# Altium PCB PCB_SmartWatch.PcbDoc
Units mm, origin at the board's own origin, x right, y up, seen from the top; angles counter-clockwise.
Board outline 33 x 45 mm, 2 copper layers (Top Layer, Bottom Layer); 40 components, 28 nets, 146 pads, 13 vias.
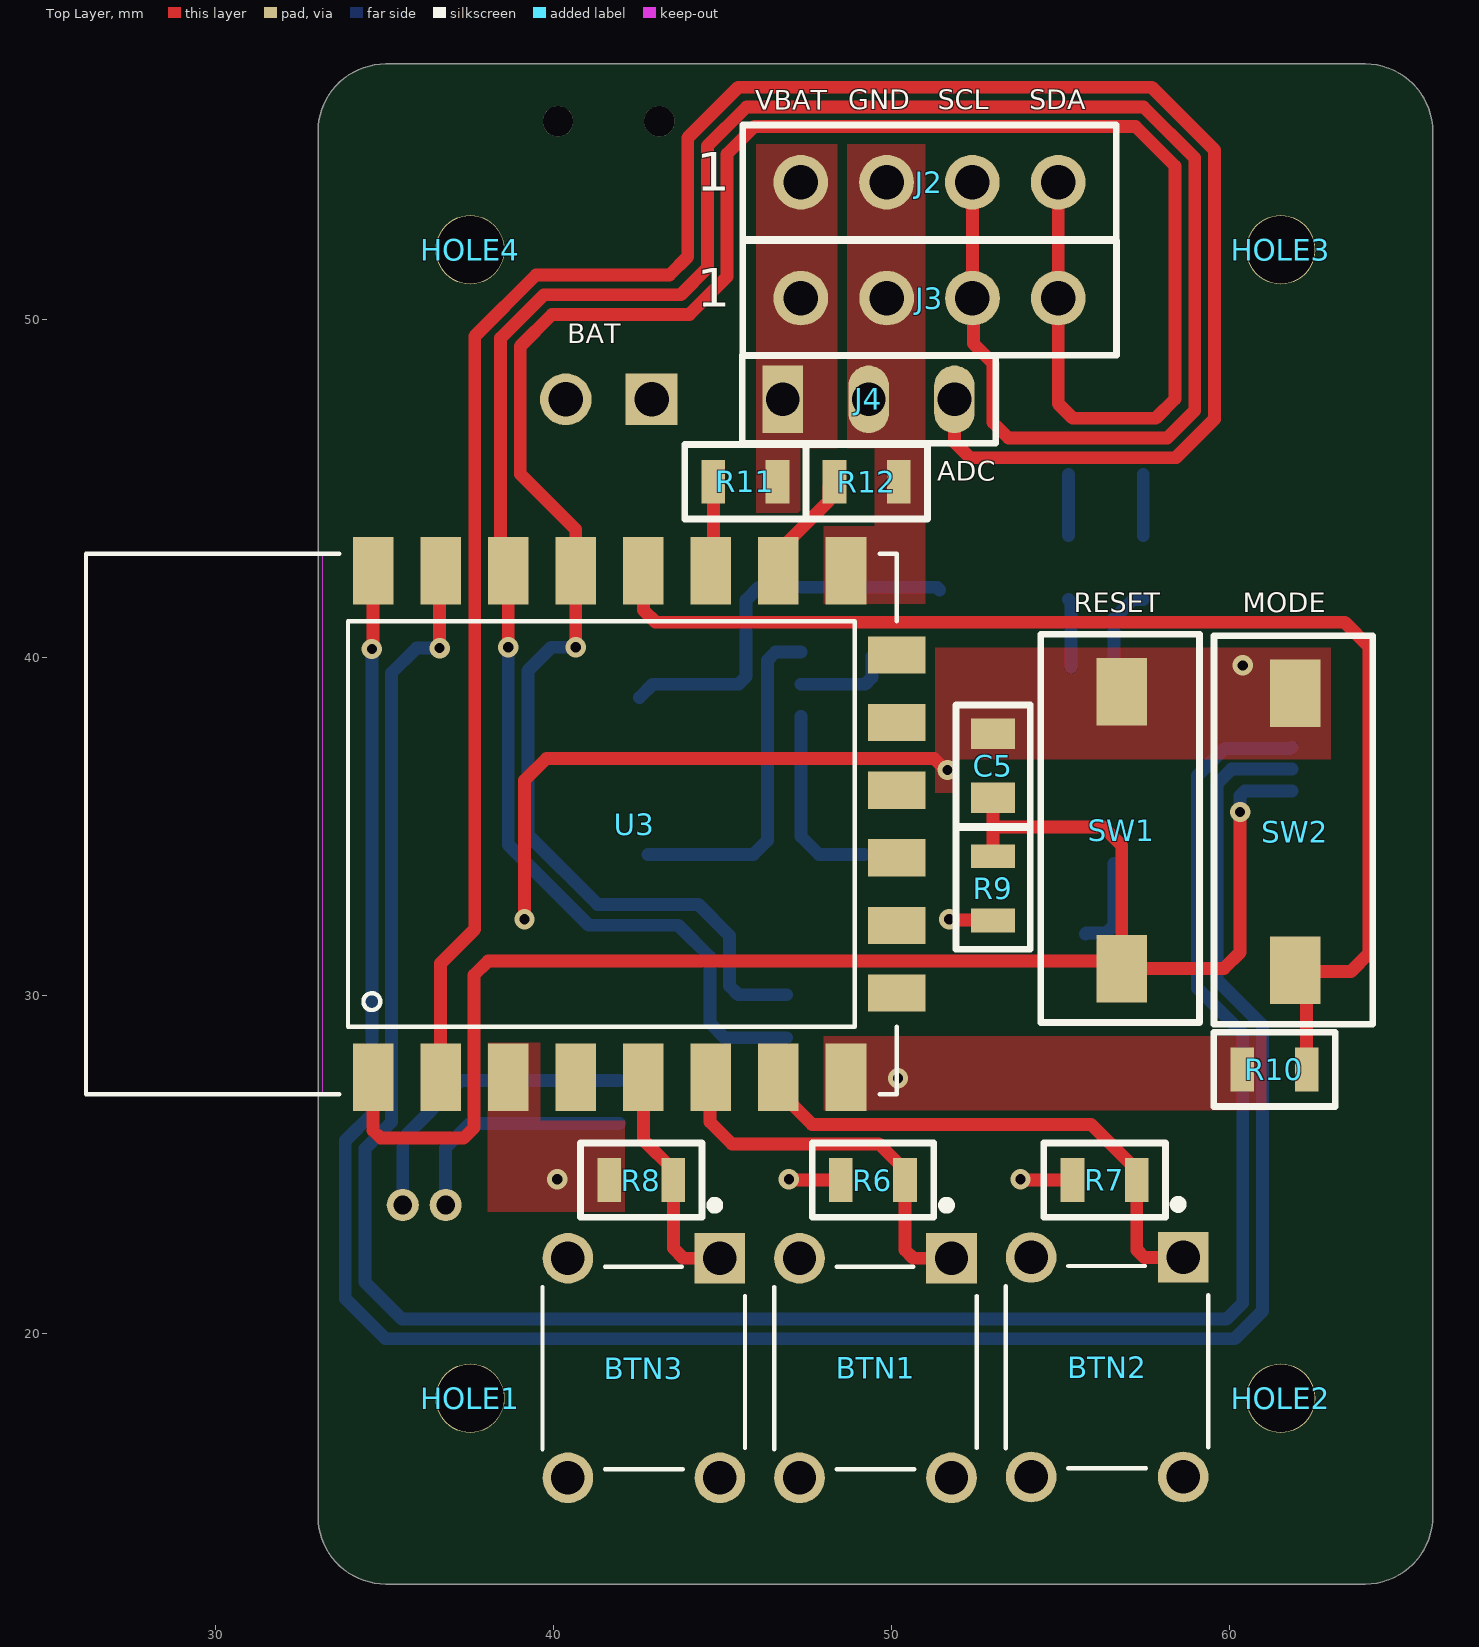
[diagram p0: Top Layer view]
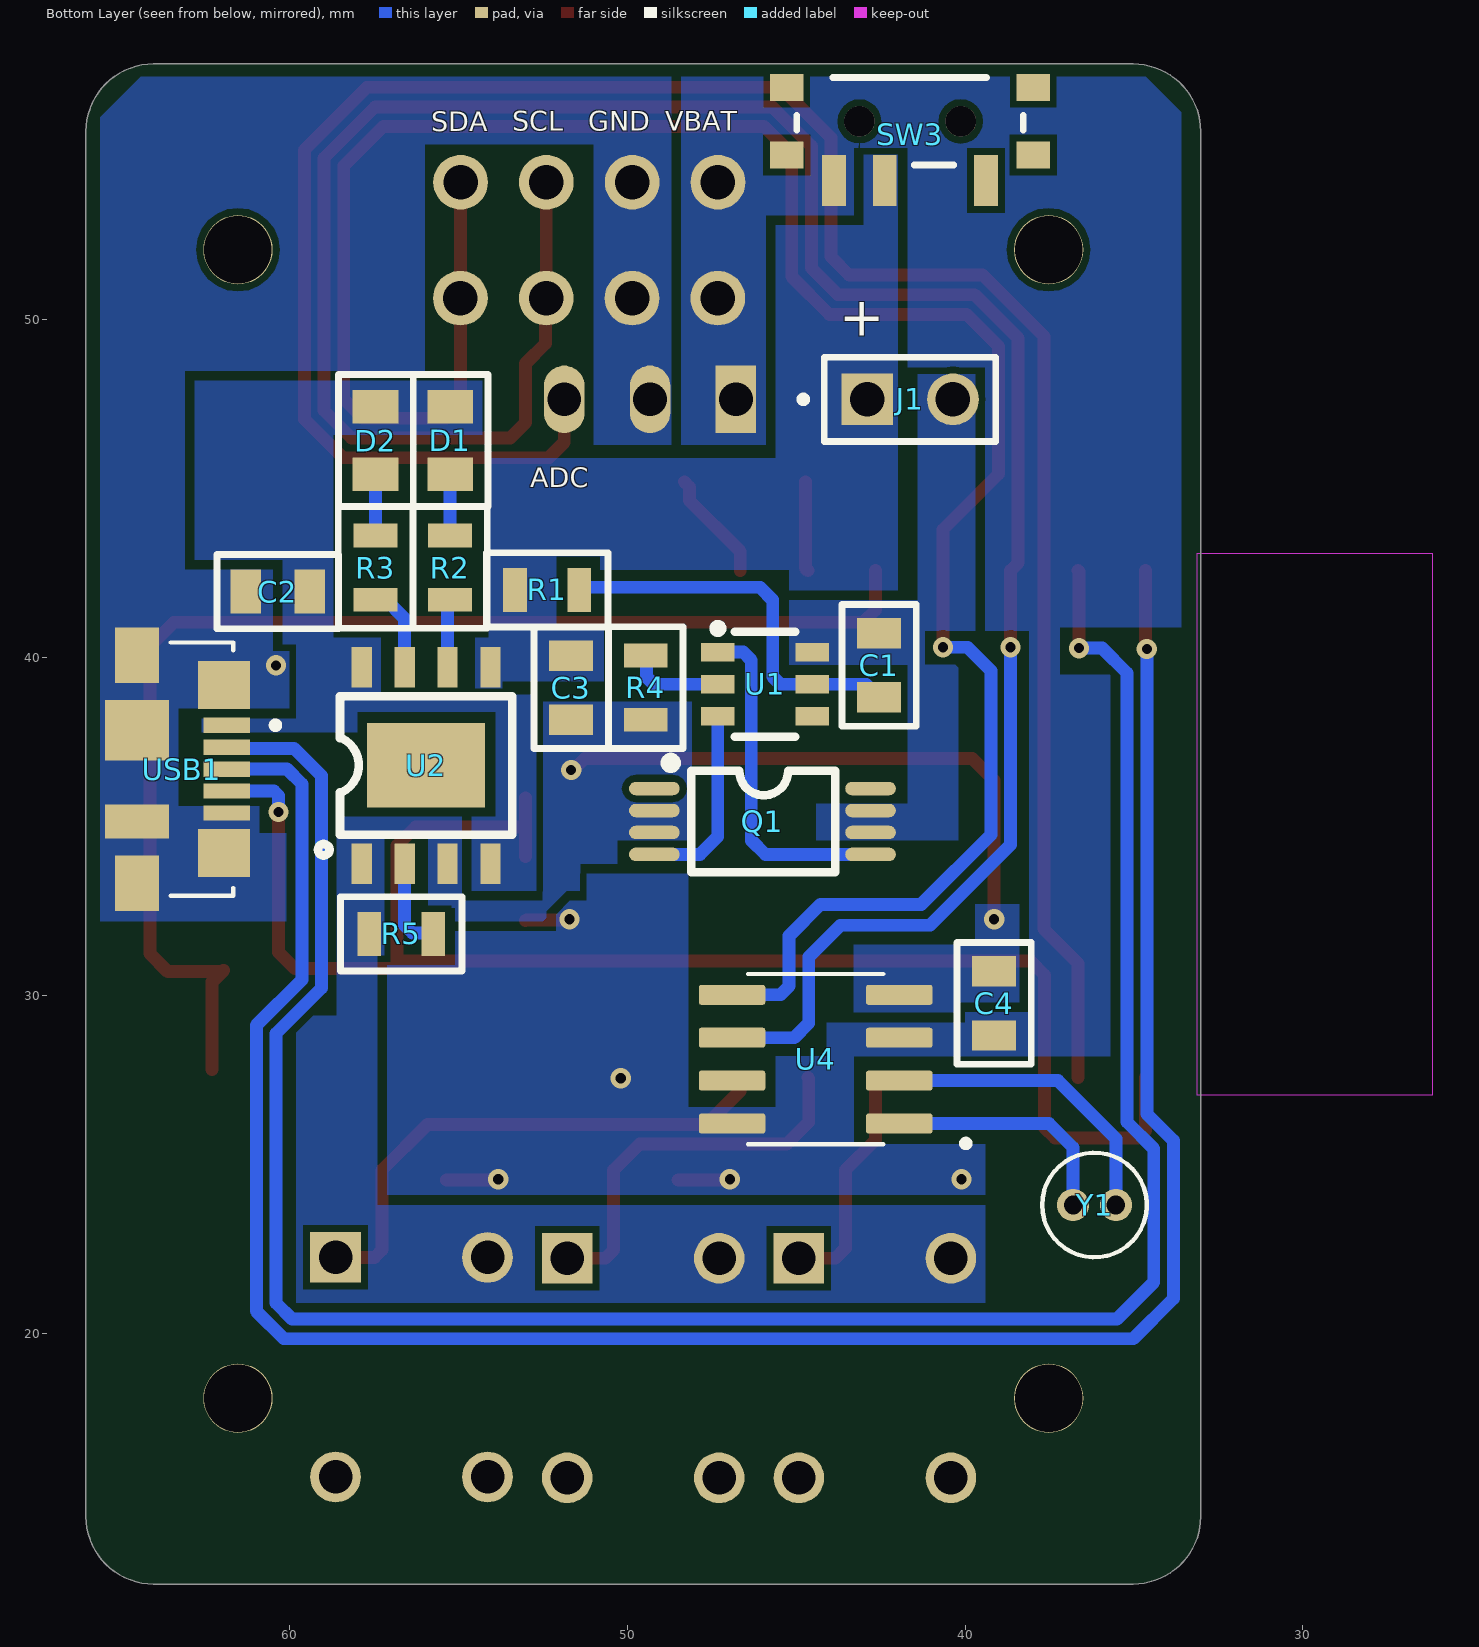
[diagram p1: Bottom Layer view, seen from below]
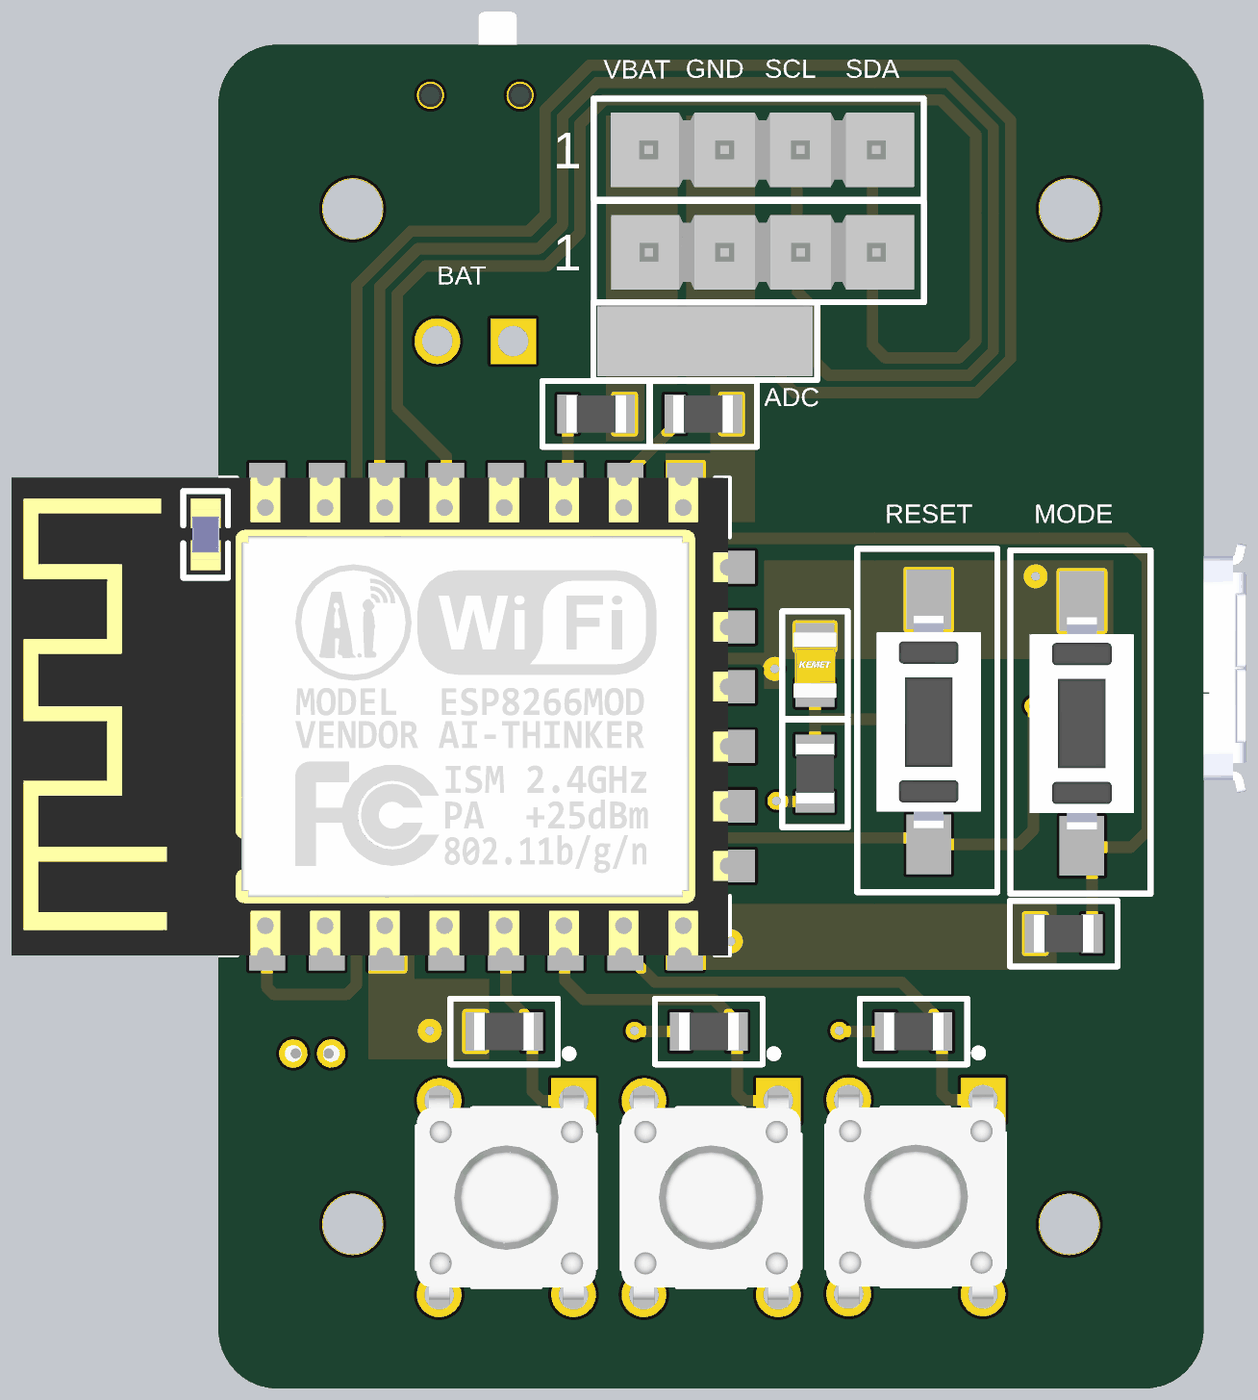
[diagram p2: 3D render of the assembled board from above, using the file's embedded part models]
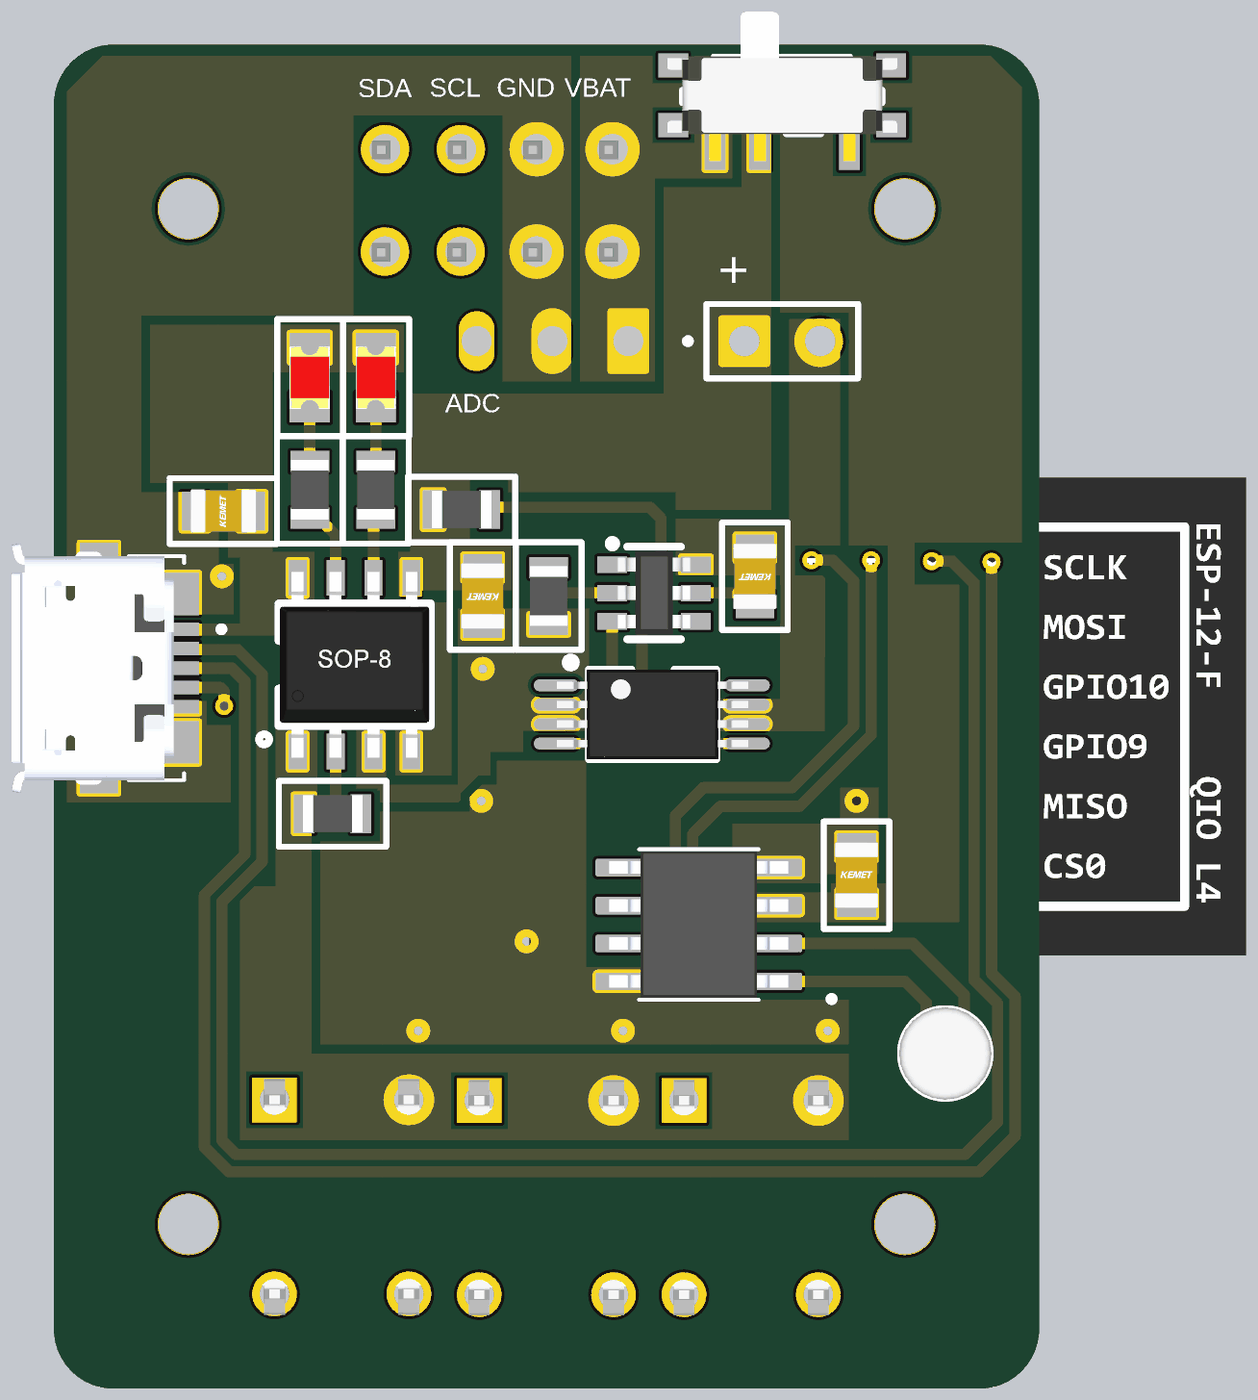
[diagram p3: 3D render of the assembled board from below, using the file's embedded part models]

## Layer stack, top to bottom
Top Solder: solder mask 0.0102, Solder Resist, Dk 3.5
Top Layer: signal copper 0.0356
Dielectric 1: dielectric 0.32, FR-4, Dk 4.8
Bottom Layer: signal copper 0.0356
Bottom Solder: solder mask 0.0102, Solder Resist, Dk 3.5

## Board outline
33.026,14.579 ccw(c35.026,14.579) 35.026,12.579 64.026,12.579 ccw(c64.026,14.579) 66.026,14.579 66.026,55.579 ccw(c64.026,55.579) 64.026,57.579 35.026,57.579 ccw(c35.026,55.579) 33.026,55.579

## Design rules (kind name [scope] priority, off if disabled: settings)
Clearance [All] p1: gap=0.2 ignorepadtopadclearanceinfootprint=FALSE
ComponentClearance [All] p1: gap=0.2 collisioncheckmode=3 verticalgap=0.2 showdistances=FALSE
HoleSize [All] p1: absolutevalues=TRUE maxlimit=10 minlimit=0.2 maxpercent=80.000 minpercent=20.000
HoleToHoleClearance [All] p1: gap=0.3 allowstackedmicrovias=TRUE
MatchedLengths DiffPair_DIFF100MatchedLengths [InDifferentialPairClass('DIFF100')] p1: tolerance=0.127 checknetsindiffpair=FALSE checkdiffpairvsdiffpair=TRUE checkxsignals=TRUE checkothers=TRUE
MinimumSolderMaskSliver [All] p1: minsoldermaskwidth=0.009
PlaneClearance [All] p1: clearance=0.2
PolygonConnect [All] p1: connectstyle=Direct reliefconductorwidth=0.254 reliefentries=4 polygonreliefangle="90 Angle" airgapwidth=0.254
RoutingVias [All] p1: holewidth=0.3 width=0.6 viastyle="Through Hole" minholewidth=0.3 minwidth=0.6 maxholewidth=0.3 maxwidth=0.6
SilkToSilkClearance [All] p1: silktosilkclearance=0.1
SilkToSolderMaskClearance [IsPad] p1: minsilkscreentomaskgap=0.1 clearancetoexposedcopper=TRUE
SolderMaskExpansion [All] p1: expansion=0.1
Width [All] p1: maxlimit=0.5 minlimit=0.3 preferedwidth=0.3
23 further rules are at their usual default settings.

## Classes and differential pairs
component class SheetPower: C1 C2 C3 D1 D2 J1 Q1 R1 R2 R3 R4 R5 SW3 U1 U2 USB1
component class SheetMCU: BTN1 BTN2 BTN3 C4 C5 HOLE1 HOLE2 HOLE3 HOLE4 J2 J3 J4 R6 R7 R8 R9 R10 R11 R12 SW1 SW2 U3 U4 Y1

## Components (designator, comment, footprint, x,y, rotation, side; value= is the part's Value field where it differs from the comment)
BTN1 "button 4x4" SW_2-1825910-7 49.53,18.974 r270 top locked
BTN2 "button 4x4" SW_2-1825910-7 56.388,18.999 r270 top locked
BTN3 "button 4x4" SW_2-1825910-7 42.672,18.974 r270 top locked
C1 "0.1uF" "CAP104 0.1UF 50V" 42.545,39.776 r90 bottom
C2 "0.1uF" "CAP104 0.1UF 50V" 60.35,41.961 r180 bottom
C3 "10uF" "CAP104 0.1UF 50V" 51.664,39.116 r90 bottom
C4 "0.1uF" "CAP104 0.1UF 50V" 39.141,29.769 r270 bottom
C5 "0.1uF" "CAP104 0.1UF 50V" 53.01,36.805 r270 top
D1 "LED SM 0805 2V 100MCD RED" "LED 0805" 55.245,46.431 r270 bottom
D2 "LED SM 0805 2V 100MCD RED" "LED 0805" 57.455,46.431 r270 bottom
HOLE1 "Hole" "Hole 2MM" 37.526,18.079 r90 top
HOLE2 "Hole" "Hole 2MM" 61.526,18.079 r90 top
HOLE3 "Hole" "Hole 2MM" 61.526,52.079 r90 top
HOLE4 "Hole" "Hole 2MM" 37.526,52.079 r90 top
J1 "HTSW-102-07-H-S" SAMTEC_HTSW-102-07-H-S 41.631,47.65 r0 bottom
J2 "SAMTEC-HTSW-104-07-X-SJ" "CONN 4 POS" 47.316,54.077 r0 top
J3 "SAMTEC-HTSW-104-07-X-SJ" "CONN 4 POS" 47.32,50.648 r0 top
J4 "CONN HEADER VERT 3POS 2.54MM" "CONN HEADER VERT 3POS 2.54MM" 46.787,47.65 r90 top
Q1 "FS8205A" FS8205A 45.999,35.154 r270 bottom
R1 "100 Ohm" "RC0805 1K OHM" 52.375,42.012 r0 bottom
R2 "1K" "RC0805 1K OHM" 55.245,42.672 r90 bottom
R3 "1K" "RC0805 1K OHM" 57.455,42.672 r90 bottom
R4 "1K" "RC0805 1K OHM" 49.454,39.116 r90 bottom
R5 "1K2 Ohm" "RC0805 1K OHM" 56.693,31.826 r0 bottom
R6 "1K" "RC0805 1K OHM" 49.454,24.536 r180 top
R7 "1K" "RC0805 1K OHM" 56.312,24.536 r180 top
R8 "1K" "RC0805 1K OHM" 42.596,24.536 r180 top
R9 "1K" "RC0805 1K OHM" 53.01,33.172 r270 top
R10 "1K" "RC0805 1K OHM" 61.341,27.813 r180 top
R11 "1K" "RC0805 1K OHM" 45.679,45.212 r0 top
R12 "1K" "RC0805 1K OHM" 49.266,45.212 r180 top
SW1 "Switch" "PTS636 SM43J SMTR LFS" 56.82,34.9 r270 top
SW2 "Switch" "PTS636 SM43J SMTR LFS" 61.951,34.849 r270 top
SW3 "CUS-12TB" CUS-12B 41.631,55.88 r0 bottom
U1 "DW01A-G" DW01A-G 45.923,39.218 r180 bottom
U2 "TP4056" TP4056 55.956,36.83 r180 bottom
U3 "ESP8266 ESP_F" "ESP8266 ESP-F" 41.656,35.079 r90 top locked
U4 "DS1307Z+" SOIC127P600X175-8N 44.425,28.118 r0 bottom
USB1 "usb micro" MOLEX_47346-0001 64.516,36.703 r270 bottom locked
Y1 "32.768kHz" XTAL_ECS-3X8X 36.17,23.8 r0 bottom

## Footprints (in the part's own frame and the unit in brackets; to place one, negate y for a bottom-side part, rotate by r counter-clockwise, add the part's x,y. Pads: shape width x height; smd on the part's side, far side on the other; paste and mask are expansions set on the pad)
"CAP104 0.1UF 50V" [mm] "0.1µF ±10% 50V Ceramic Capacitor X7R 0805 (2012 Metric)"
  rect 0.9x1.3 smd: 1(-0.95,0) 2(0.95,0)
  silkscreen extent -1.8,-1.1 1.8,1.1, body extent -1.1,-0.73 1.1,0.72, height 0.88
"CONN 4 POS" [mm]
  round 1.62 hole 1.02: 1(0,0) 2(2.54,0) 3(5.08,0) 4(7.62,0)
  silkscreen extent -1.72,-1.69 9.34,1.69, body extent -1.14,-1.27 9.02,1.22, height 8.38
"CONN HEADER VERT 3POS 2.54MM" [mm]
  rect 2x1.2 hole 1: 1(0,0)
  oval 2x1.2 hole 1: 2(0,-2.54) 3(0,-5.08)
  silkscreen extent -1.3,-6.3 1.3,1.2, body extent -1.17,-6.15 1.17,1.07, height 10.58
CUS-12B [mm]
  rect 1x0.8 smd: 1(-3.65,-1) 1(-3.65,1) 1(3.65,-1) 1(3.65,1)
  rect 0.7x1.5 smd: 1(-2.25,1.75) 2(0.75,1.75) 3(2.25,1.75)
  round 0.9 hole 0.9 unplated: ""(-1.5,0) ""(1.5,0)
  silkscreen extent -3.35,-1.3 3.35,1.3, body extent -3.85,-2.8 3.85,2.2, height 1.37
DW01A-G [mm] "Bao ve pin lithium"
  rect 1x0.55 smd: 1(-1.4,0.95) 2(-1.4,0) 3(-1.4,-0.95) 4(1.4,-0.95) 5(1.4,0) 6(1.4,0.95)
  silkscreen extent -1.52,-1.55 0.9,1.78, body extent -1.21,-1.4 1.21,1.4, height 1.09
"ESP8266 ESP-F" [mm] "ESP8266-12E/ESP-12E"
  rect 2x1.2 smd: 1(-7.5,7) 2(-7.5,5) 3(-7.5,3) 4(-7.5,1) 5(-7.5,-1) 6(-7.5,-3) 7(-7.5,-5) 8(-7.5,-7) 15(7.5,-7) 16(7.5,-5) 17(7.5,-3) 18(7.5,-1) 19(7.5,1) 20(7.5,3) 21(7.5,5) 22(7.5,7)
  rect 1.1x1.7 smd: 9(-5,-8.5) 10(-3,-8.5) 11(-1,-8.5) 12(1,-8.5) 13(3,-8.5) 14(5,-8.5)
  Keep-Out Layer region: 8,8.51 -8.009,8.51 -8.009,15.5 8,15.5
  Keep-Out Layer region: 8,8.51 -8.009,8.51 -8.009,15.5 8,15.5
  silkscreen extent -8,-8.5 8,15.5, body extent -8,-8.44 8,15.56, height 3.17
FS8205A [mm]
  oval 0.4x1.5 smd: 1(-0.975,-3.2) 2(-0.325,-3.2) 3(0.325,-3.2) 4(0.975,-3.2) 5(0.975,3.2) 6(0.325,3.2) 7(-0.325,3.2) 8(-0.975,3.2)
  silkscreen extent -1.89,-2.87 1.5,2.16, body extent -1.5,-3.17 1.5,3.23, height 1.2
"Hole 2MM" [mm]
  round 2.05 hole 2: ""(0,0)
"LED 0805" [mm]
  rect 1x1.35 smd: A(-1,0) K(1,0)
  silkscreen extent -1.96,-1.09 1.96,1.12, body extent -1.05,-0.67 1.05,0.67, height 0.9
MOLEX_47346-0001 [mm]
  rect 0.45x1.38 smd: 1(-1.3,2.66) 2(-0.65,2.66) 3(0,2.66) 4(0.65,2.66) 5(1.3,2.66)
  rect 1.425x1.55 smd: S1(-2.488,2.575) S2(2.488,2.575)
  rect 1.65x1.3 smd: S3(-3.375,0) S6(3.375,0)
  rect 1.8x1.9 smd: S4(-1.15,0)
  rect 1x1.9 smd: S5(1.55,0)
  silkscreen extent -3.75,1 3.75,4.2, body extent -4.18,-2.93 4.18,2.5, height 2.7
"PTS636 SM43J SMTR LFS" [mm]
  rect 2x1.5 smd: 1(-4.1,0) 2(4.1,0)
  silkscreen extent -5.8,-2.4 5.7,2.3, body extent -3.55,-1.75 3.55,1.75, height 4.3
"RC0805 1K OHM" [mm]
  rect 0.7x1.3 smd: 1(-0.95,0) 2(0.95,0)
  silkscreen extent -1.8,-1.1 1.8,1.1, body extent -1,-0.63 1,0.62, height 0.6
SAMTEC_HTSW-102-07-H-S [mm]
  rect 1.53x1.53 hole 1.02: 01(1.27,0)
  round 1.53 hole 1.02: 02(-1.27,0)
  silkscreen extent -2.54,-1.24 3.26,1.24
SOIC127P600X175-8N [mm]
  rrect25% 1.97x0.59 smd: 1(-2.475,1.905) 2(-2.475,0.635) 3(-2.475,-0.635) 4(-2.475,-1.905) 5(2.475,-1.905) 6(2.475,-0.635) 7(2.475,0.635) 8(2.475,1.905)
  silkscreen extent -4.54,-2.52 2,2.59, body extent -3,-2.45 3,2.45, height 1.75
SW_2-1825910-7 [mm]
  rect 1.498x1.498 hole 0.99: 1(-3.25,2.25)
  round 1.498 hole 0.99: 2(3.25,2.25) 3(-3.25,-2.25) 4(3.25,-2.25)
  silkscreen extent -4.92,-3 3,3, body extent -3.95,-3 3.95,3, height 9.71
TP4056 [mm]
  rect 0.6x1.2 smd: 1(-1.905,-2.921) 2(-0.635,-2.921) 3(0.635,-2.921) 4(1.905,-2.921) 5(1.905,2.896) 6(0.635,2.896) 7(-0.635,2.896) 8(-1.905,2.896)
  rect 3.5x2.5 smd: 9(0,-0.013)
  silkscreen extent -3.2,-2.68 2.55,2.04, body extent -2.5,-3.12 2.5,3.1, height 1.87
XTAL_ECS-3X8X [mm]
  round 0.95 hole 0.55: 1(-0.635,0) 2(0.635,0)
  silkscreen extent -1.55,-1.55 1.55,1.55, body extent -1.55,-1.55 1.55,1.55, height 8.7

## Part data
BTN1 BTN2 BTN3: library part TL1105BF160Q, "Switch Tactile N.O. SPST Round Button PC Pins 0.05A 50VDC 1.57N Thru-Hole", Contact Current Rating=50mA, Contact Resistance=100mR, Insulation Resistance=100MR, Manufacturer=E-Switch, Max Operating Temperature=70°C, Max Voltage Rating (DC)=50V, Min Operating Temperature=-20°C, Operating Force=160gf, Package Quantity=750, Supplier Part Number 1=EG1833-ND, Voltage Rating=12V, Actuator Length=5.9mm, Actuator Material=Nylon,Polyamide, Actuator Type=Standard, ComponentLink1Description=https://datasheet.ciiva.com/16156/p010003-16156249.pdf?src-supplier=Onlinecomponents.com, ComponentLink1URL=https://datasheet.ciiva.com/16156/p010003-16156249.pdf?src-supplier=Onlinecomponents.com, ComponentLink2Description=https://datasheet.ciiva.com/7637/tl1105-7637643.pdf?src-supplier=Element14, ComponentLink2URL=https://datasheet.ciiva.com/7637/tl1105-7637643.pdf?src-supplier=Element14, ComponentLink3Description=https://datasheet.ciiva.com/2900/p010003-2900804.pdf?src-supplier=Digi-Key, ComponentLink3URL=https://datasheet.ciiva.com/2900/p010003-2900804.pdf?src-supplier=Digi-Key, Contact Material=Silver,Bronze, Contact Plating=Silver, Current Rating=50mA, Electrical Life=100000Cycles, Housing Material=Nylon, Illumination Type=Non-Illuminated,Illuminated, Lead Free="Lead Free", Manufacturer Part Number=TL1105BF160Q, Mechanical Life=100000Cycles, Mount="Through Hole", Orientation=Straight, Packaging=Bulk, Pricing 1="1 = 0.20000, 10 = 0.19300, 25 = 0.18320, 100 = 0.16660, 250 = 0.15664, 500 = 0.14332, 1000 = 0.11999, 2500 = 0.11666, 5000 = 0.10999 (USD)", REACH SVHC="No SVHC", RoHS=Yes, RoHS Compliant=Yes, Series=TL1105, Stock 1=13775, Supplier 1=Digi-Key, Switch Function=Off-Mom, Switch Travel=0.25mm, Termination="PC Pin", Throw Configuration=SPST, Voltage Rating (DC)=12V, Width=6mm
C1 C2 C4 C5: library part C0805C104K5RACTU, "Cap Ceramic 0.1uF 50V X7R 10% SMD 2.0 x 1.2 mm 125 C Paper T/R", Capacitance=100nF, Case/Package=0805, Case Code (Metric)=2012, Dielectric=X7R, Dielectric Material=Ceramic, Manufacturer=KEMET, Max Operating Temperature=125°C, Min Operating Temperature=-55°C, Package Quantity=4000, Supplier Part Number 1=399-1170-1-ND, Tolerance=10%, Voltage=500V, Voltage Rating=50V, Case Code (Imperial)=0805, ComponentLink1Description=https://datasheet.ciiva.com/14589/70095383-14589048.pdf?src-supplier=Allied+Electronics, ComponentLink1URL=https://datasheet.ciiva.com/14589/70095383-14589048.pdf?src-supplier=Allied+Electronics, ComponentLink2Description=https://datasheet.ciiva.com/28682/1851736-28682232.pdf?src-supplier=Element14, ComponentLink2URL=https://datasheet.ciiva.com/28682/1851736-28682232.pdf?src-supplier=Element14, ComponentLink3Description=https://datasheet.ciiva.com/32431/slceramic-chip-condensers-e-32431755.pdf?src-supplier=Distrelec, ComponentLink3URL=https://datasheet.ciiva.com/32431/slceramic-chip-condensers-e-32431755.pdf?src-supplier=Distrelec, ComponentLink4Description=https://datasheet.ciiva.com/18410/70095383-18410815.pdf?src-supplier=Allied+Electronics, ComponentLink4URL=https://datasheet.ciiva.com/18410/70095383-18410815.pdf?src-supplier=Allied+Electronics, Contact Plating=Tin,Matte, Depth=1.25mm, Height=0.9mm, Lead Pitch=0.75mm, Length=2mm, Manufacturer Part Number=C0805C104K5RACTU, Mount="Surface Mount,PCB", Number of Pins=2, Packaging="Tape and Reel", Pricing 1="1 = 0.16000, 10 = 0.11500, 50 = 0.06540, 100 = 0.05420, 500 = 0.03802, 1000 = 0.03147 (USD)", Radiation Hardening=No, REACH SVHC="No SVHC", RoHS=Yes, Stock 1=2487008, Supplier 1=Digi-Key, Termination=SMD/SMT, Thickness=0.035inch, Voltage Rating (DC)=50V, Width=1.2mm